# Altium PCB P1.1-worcv.PcbDoc (part 1 of 2) (continued)
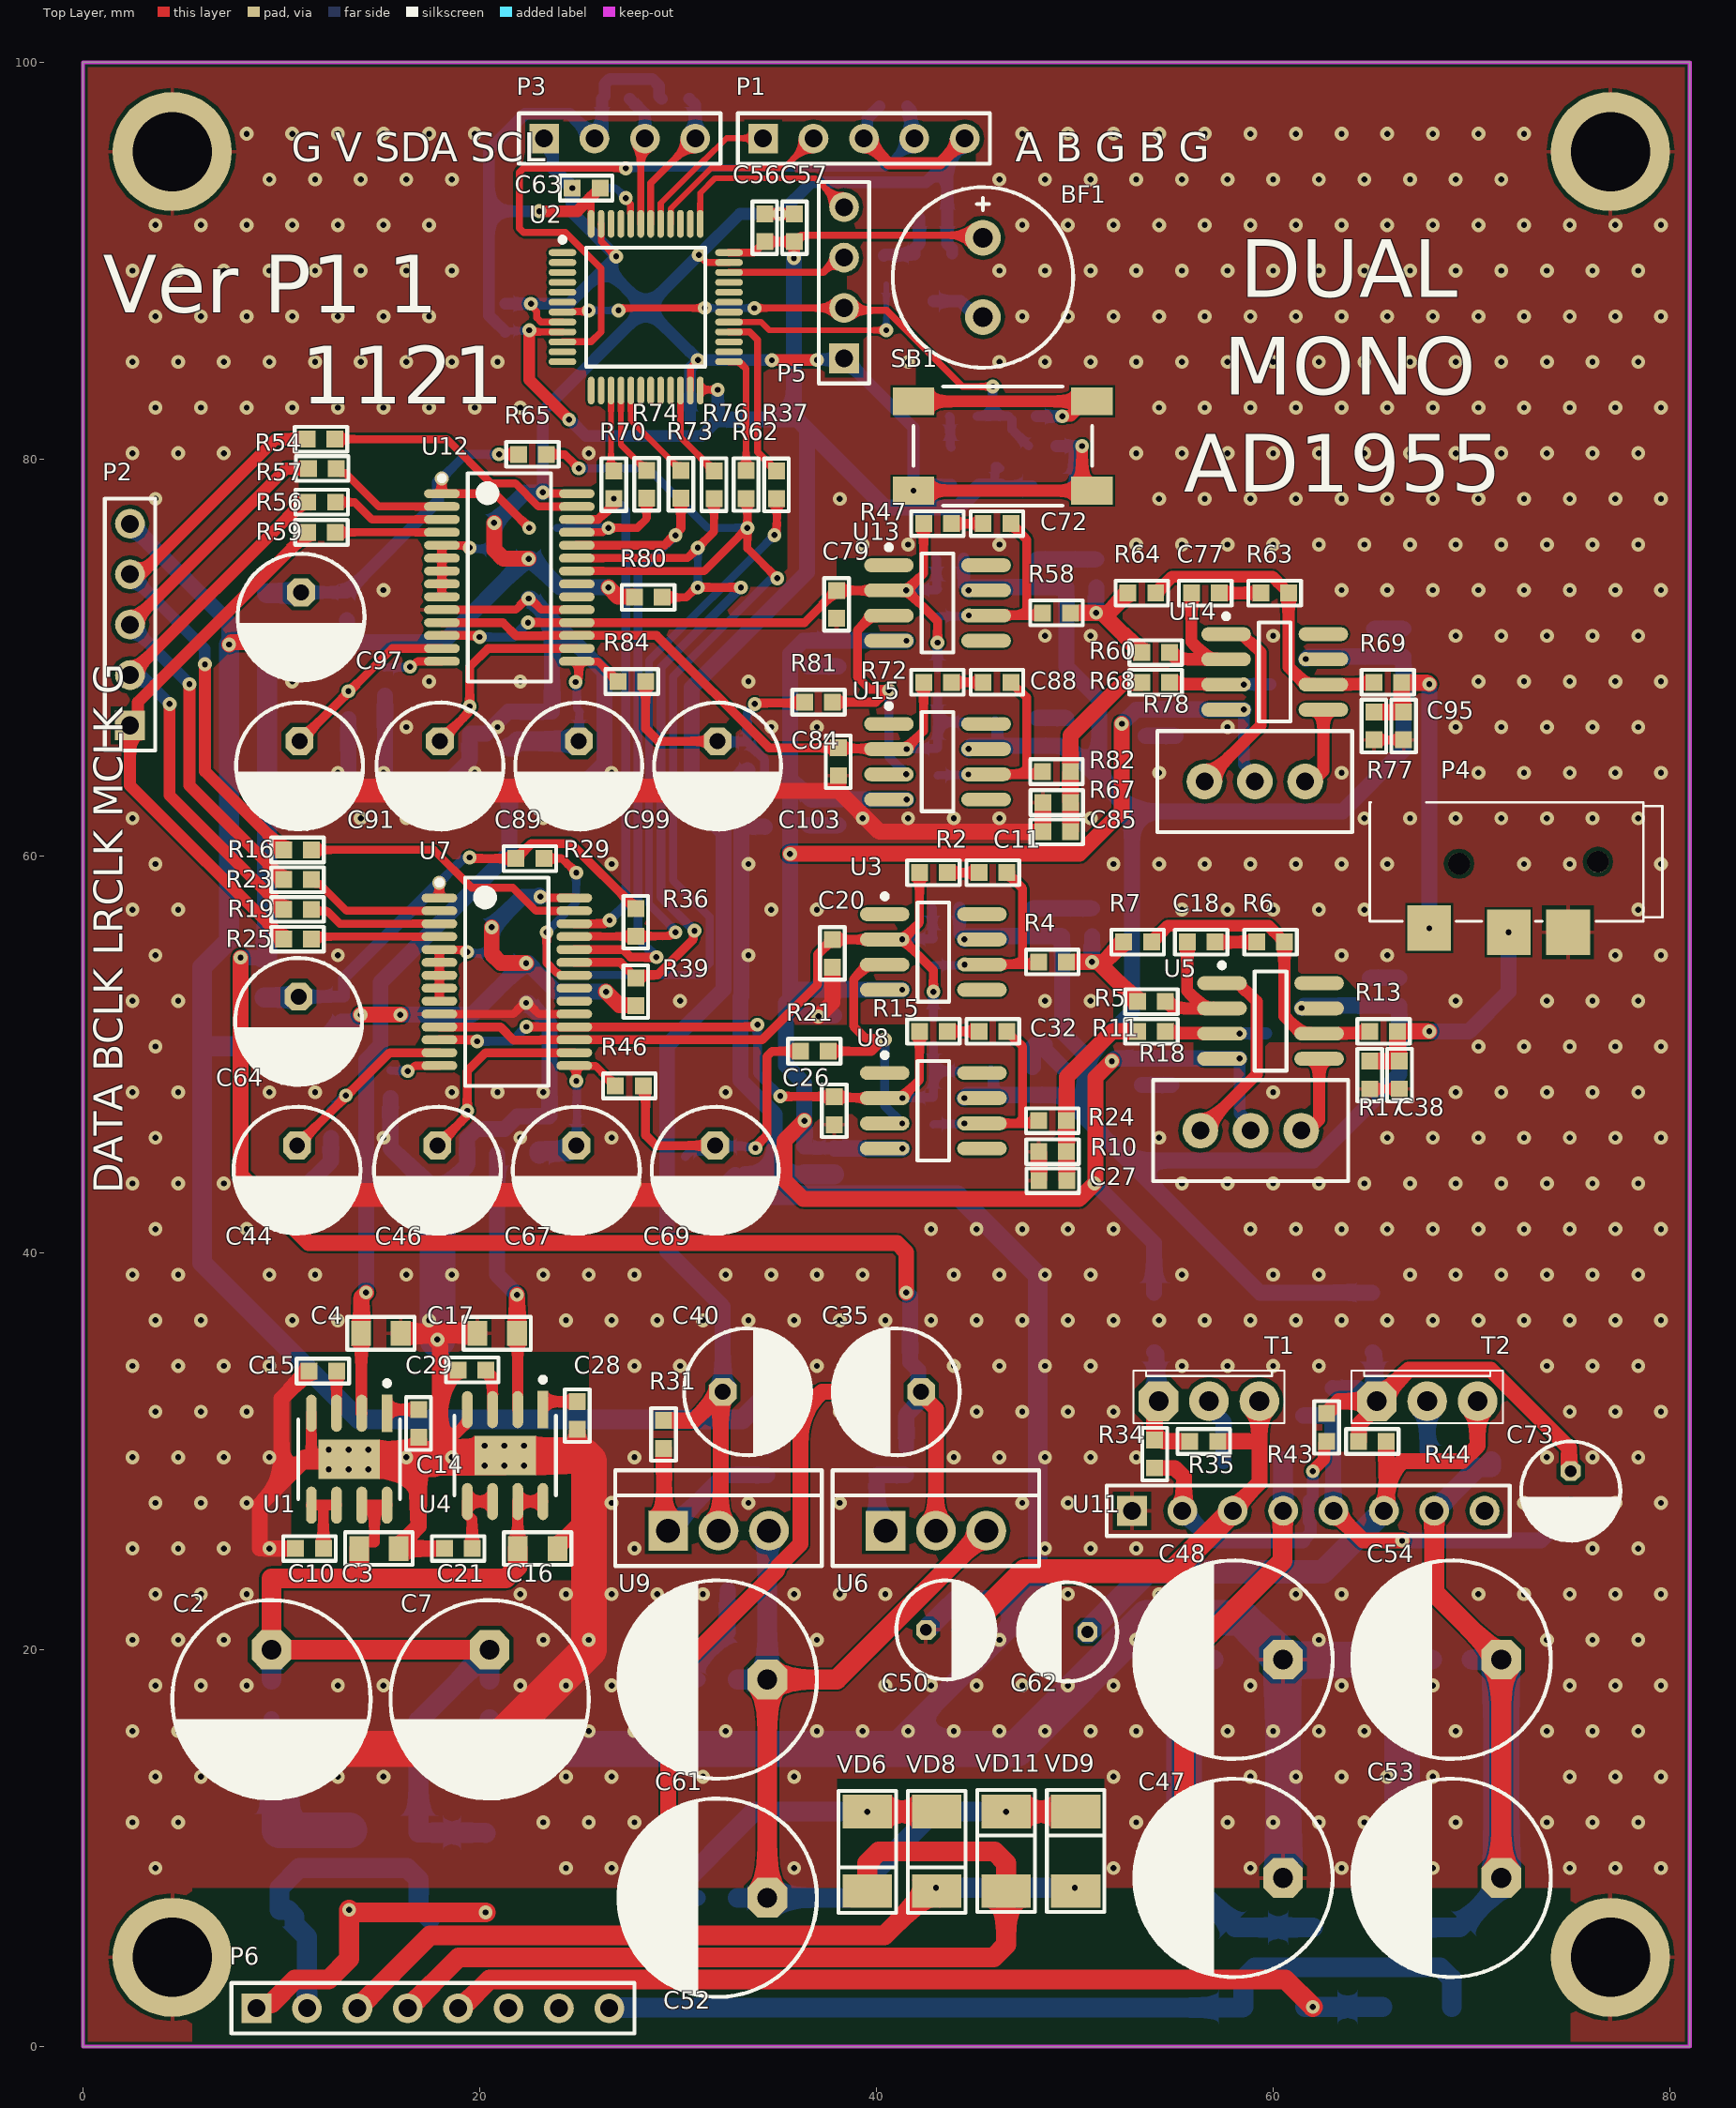
[diagram p0: Top Layer view]
## Footprints (in the part's own frame and the unit in brackets; to place one, negate y for a bottom-side part, rotate by r counter-clockwise, add the part's x,y. Pads: shape width x height; smd on the part's side, far side on the other; paste and mask are expansions set on the pad)
48-LQFP [mm] "QFP, 48-Leads, Body 7x7mm, Pitch 0.5mm, IPC Medium Density"
  oval 1.4x0.34 smd: 1(-4.2,2.75) 2(-4.2,2.25) 3(-4.2,1.75) 4(-4.2,1.25) 5(-4.2,0.75) 6(-4.2,0.25) 7(-4.2,-0.25) 8(-4.2,-0.75) 9(-4.2,-1.25) 10(-4.2,-1.75) 11(-4.2,-2.25) 12(-4.2,-2.75) 25(4.2,-2.75) 26(4.2,-2.25) 27(4.2,-1.75) 28(4.2,-1.25) 29(4.2,-0.75) 30(4.2,-0.25) 31(4.2,0.25) 32(4.2,0.75) 33(4.2,1.25) 34(4.2,1.75) 35(4.2,2.25) 36(4.2,2.75)
  oval 0.34x1.4 smd: 13(-2.75,-4.2) 14(-2.25,-4.2) 15(-1.75,-4.2) 16(-1.25,-4.2) 17(-0.75,-4.2) 18(-0.25,-4.2) 19(0.25,-4.2) 20(0.75,-4.2) 21(1.25,-4.2) 22(1.75,-4.2) 23(2.25,-4.2) 24(2.75,-4.2) 37(2.75,4.2) 38(2.25,4.2) 39(1.75,4.2) 40(1.25,4.2) 41(0.75,4.2) 42(0.25,4.2) 43(-0.25,4.2) 44(-0.75,4.2) 45(-1.25,4.2) 46(-1.75,4.2) 47(-2.25,4.2) 48(-2.75,4.2)
  round 0.5 on Mech1: ""(-4,4)
  silkscreen extent -4.32,-3 3,3.52, body extent -4.5,-4.5 4.5,4.5, height 1.6
ADI-R-8_M [mm] "SOIC, 8-Leads, Body 4.9x3.9mm, Pitch 1.27mm, IPC Low Density"
  oval 2.5x0.7 smd: 1(-2.45,1.905) 2(-2.45,0.635) 3(-2.45,-0.635) 4(-2.45,-1.905) 5(2.45,-1.905) 6(2.45,-0.635) 7(2.45,0.635) 8(2.45,1.905)
  silkscreen extent -2.57,-2.5 0.8,2.93, body extent -2,-2.5 2,2.5, height 1.75
ADI-RS-28_L [mm] "SOP, 28-Leads, Body 10.2x5.3mm, Pitch 0.65mm, IPC High Density"
  oval 1.8x0.45 smd: 1(-3.4,4.225) 2(-3.4,3.575) 3(-3.4,2.925) 4(-3.4,2.275) 5(-3.4,1.625) 6(-3.4,0.975) 7(-3.4,0.325) 8(-3.4,-0.325) 9(-3.4,-0.975) 10(-3.4,-1.625) 11(-3.4,-2.275) 12(-3.4,-2.925) 13(-3.4,-3.575) 14(-3.4,-4.225) 15(3.4,-4.225) 16(3.4,-3.575) 17(3.4,-2.925) 18(3.4,-2.275) 19(3.4,-1.625) 20(3.4,-0.975) 21(3.4,-0.325) 22(3.4,0.325) 23(3.4,0.975) 24(3.4,1.625) 25(3.4,2.275) 26(3.4,2.925) 27(3.4,3.575) 28(3.4,4.225)
  silkscreen extent -3.52,-5.25 2.1,5.25, body extent -2.8,-5.25 2.8,5.25, height 2
Analog_Devices_Inc_RD-8-2_0 [mm]
  rect 1.874x0.542 smd paste+0 mask+0: 1(-2.316,1.905)
  oval 1.874x0.542 smd paste+0 mask+0: 2(-2.316,0.635) 3(-2.316,-0.635) 4(-2.316,-1.905) 5(2.316,-1.905) 6(2.316,-0.635) 7(2.316,0.635) 8(2.316,1.905)
  rect 2x3.098 smd paste-1000 mask+0: 9(0,0)
  silkscreen extent -3.95,-2.56 2,2.56, body extent -3.35,-2.6 3.35,2.6, height 0.25
"BUT: 6x6 SMD" [mm] "Leaded Tactile Button 6x6"
  rect 2.1x1.4 smd: 1(-4.5,2.25) 1(4.5,2.25) 2(-4.5,-2.25) 2(4.5,-2.25)
  silkscreen extent -4.5,-3 4.5,3, body extent -4.5,-3 4.5,3, height 4.3
"BUZ: AT-0927-TT-6-R" [mm]
  round 1.8 hole 1: 1(2,0) 2(-2,0)
  silkscreen extent -4.55,-4.55 4.55,4.55, body extent -4.5,-4.5 4.5,4.5, height 4.52
"CAP: 0603" [mm]
  rect 0.85x0.85 smd: 1(-0.7,0) 2(0.7,0)
  silkscreen extent -1.33,-0.63 1.33,0.63, body extent -0.8,-0.4 0.8,0.4, height 0.3
"CAP: 0805" [mm]
  rect 1x1.25 smd: 1(-1,0) 2(1,0)
  silkscreen extent -1.7,-0.82 1.7,0.82, body extent -1,-0.62 1,0.63, height 0.78
"CAP: D5C2H11" [mm]
  oct 1x1 hole 0.6: 1(-1,0)
  round 1 hole 0.6: 2(1,0)
  silkscreen extent -2.5,-2.5 2.5,2.5, body extent -2.75,-2.75 2.75,2.75, height 13.5
"CAP: D6.3C2.5H11" [mm]
  oct 1.4x1.4 hole 0.8: 1(-1.25,0)
  round 1.4 hole 0.8: 2(1.25,0)
  silkscreen extent -3.2,-3.2 3.2,3.2, body extent -3.4,-3.4 3.4,3.4, height 12.5
"CAP: D10C5H20" [mm]
  oct 2x2 hole 1: 1(-2.5,0)
  round 2 hole 1: 2(2.5,0)
  silkscreen extent -5,-5 5,5, body extent -5.25,-5.25 5.25,5.25, height 22
CUI_SJ2-3573A2-SMT-TR [mm]
  rect 2.2x2.3 smd: 2(3.9,3.35) 3(-0.1,3.55) 4(-3.1,3.55)
  round 1.1 hole 1.1 unplated: ""(-4.6,0) ""(2.4,0.1)
  silkscreen extent -7.85,-3 6.9,3
"DIODE: SMA" [mm]
  rect 1.7x2.5 smd: 1(-2,0) 2(2,0)
  round 0.5 on Mech1: ""(2,0.9)
  silkscreen extent -3.05,-1.45 3.1,1.45, body extent -2.5,-1.35 2.5,1.35, height 2.28
HDR1X4 [mm] "Connector; Header; 4 Position"
  rect 1.5x1.5 hole 0.9: 1(0,0)
  round 1.5 hole 0.9: 2(2.54,0) 3(5.08,0) 4(7.62,0)
  silkscreen extent -1.27,-1.27 8.89,1.27
HDR1X5 [mm] "Connector; Header; 5 Position"
  rect 1.5x1.5 hole 0.9: 1(0,0)
  round 1.5 hole 0.9: 2(2.54,0) 3(5.08,0) 4(7.62,0) 5(10.16,0)
  silkscreen extent -1.27,-1.27 11.43,1.27
HDR1X8 [mm] "Connector; Header; 8 Position"
  rect 1.5x1.5 hole 0.9: 1(0,0)
  round 1.5 hole 0.9: 2(2.54,0) 3(5.08,0) 4(7.62,0) 5(10.16,0) 6(12.7,0) 7(15.24,0) 8(17.78,0)
  silkscreen extent -1.27,-1.27 19.05,1.27
"IND: 0805" [mm]
  rect 1x1.25 smd: 1(-1,0) 2(1,0)
  silkscreen extent -1.7,-0.82 1.7,0.82, body extent -1,-0.62 1,0.63, height 0.85
"RES: 0603" [mm]
  rect 0.85x0.85 smd: 1(-0.7,0) 2(0.7,0)
  silkscreen extent -1.33,-0.63 1.33,0.63, body extent -0.8,-0.4 0.8,0.4, height 0.44
"RES: 1206" [mm]
  rect 1x1.6 smd: 1(-1.5,0) 2(1.5,0)
  silkscreen extent -2.2,-1 2.2,1, body extent -1.65,-0.8 1.55,0.8, height 0.47
"RES: 3296W" [mm]
  round 1.8 hole 0.9: 1(0,0) 2(2.54,0) 3(5.08,0)
  round 0.5 on Top Overlay: ""(-2.85,2.325)
  silkscreen extent -2.37,-2.55 7.45,2.55, body extent -2.22,-2.4 7.31,2.4, height 11.55
SOT23 [mm]
  rect 1.1x0.6 smd: 1(-1.2,0.95) 2(-1.2,-0.95) 3(1.2,0)
  round 0.5 on Mech1: ""(-0.9,1.1)
  silkscreen extent -0.3,-1.5 0.7,1.5, body extent -1.32,-1.52 1.32,1.52, height 1.12
SOT95P230X112-3N [mm] "SOT23 3-Leads, Pitch 0.95mm - Body 1.3x2.86mm, IPC Medium Density"
  rect 0.95x0.65 smd: 1(-1.1,0.95) 2(-1.1,-0.95) 3(1.1,0)
  silkscreen extent -1.42,-1.45 0.3,1.92, body extent -1.25,-1.5 1.25,1.5, height 1.1
"TO126V A" [mm]
  oct 2x2 hole 1: 1(-2.54,0)
  round 2 hole 1: 2(0,0) 3(2.54,0)
  silkscreen extent -3.81,-1.1 3.81,1.55, body extent -3.81,-1.04 3.81,1.55, height 13.02
TO-220-V [mm] "TO-220 3-Terminal - Vertical Mount"
  rect 2x2 hole 1.2: 1(-2.54,0)
  round 2 hole 1.2: 2(0,0) 3(2.54,0)
  silkscreen extent -5.21,-1.78 5.21,3.05, body extent -5.27,-1.75 5.27,2.95, height 20.5

## Part data
BF1: library part Buzzer, CurrentMax=80mA, Frequency="2.73 kHz", Manufacturer="PUI Audio", PartNumber=AT-0927-TT-6-R, Temperature=-20...+70°C, VoltageMax=3VDC, HelpURL=https://www.digikey.com/products/en?keywords=AT-0927-TT-6-R, TypeBuzzer="DIP switch", ValueManufacturerPartNumber="DIP switch, 2.73 kHz, 3VDC, 80mA, -20...+70°C"
C1 C3 C4 C5 C6 C8 C9 C10 C11 C12 C13 C14 C15 C16 C17 C18 C19 C20 C21 C22 C23 C24 C25 C26 C27 C28 C29 C30 C31 C32 C33 C34 C36 C37 C38 C39 C41 C42 C43 C45 C49 C51 C55 C56 C57 C58 C59 C60 C63 C65 C66 C68 C70 C71 C72 C74 C75 C76 C77 C78 C79 C80 C81 C82 C83 C84 C85 C86 C87 C88 C90 C92 C93 C94 C95 C96 C98 C100 C101 C102: library part Ceramic, Manufacturer=Yageo, Package=0201, PartNumber=CC0201KRX7R7BB103, Temperature=-55...+125°C, Tolerance=±10%, TypeCapacitor="Ceramic capacitor", TypeDielectric=X7R, Voltage=16V, HelpURL=https://www.digikey.com/product-detail/en/yageo/CC0201KRX7R7BB103/311-1404-1-ND/2833710
  C1 C5 C6 C9 C13 C22 C31 C34 C36 C39 C41 C43 C45 C49 C51 C55 C57 C58 C59 C60 C63 C65 C66 C68 C71 C75 C76 C80 C87 C90 C92 C93 C96 C98 C100 C102: ValueManufacturerPartNumber="Ceramic capacitor, 0.1u, X7R, ±10%, 16V, 0201, -55...+125°C"
  C3 C4 C16 C17: ValueManufacturerPartNumber="Ceramic capacitor, 10μF, X7R, ±10%, 16V, 0201, -55...+125°C"
  C8 C12 C23 C30 C37 C42 C70 C74 C81 C86 C94 C101: ValueManufacturerPartNumber="Ceramic capacitor, 4.7u, X7R, ±10%, 16V, 0201, -55...+125°C"
  C10 C15 C21 C29: ValueManufacturerPartNumber="Ceramic capacitor, 1u, X7R, ±10%, 16V, 0201, -55...+125°C"
  C11 C24 C32 C72 C82 C88: ValueManufacturerPartNumber="Ceramic capacitor, 100p, X7R, ±10%, 16V, 0201, -55...+125°C"
  C14 C28 C33 C56: ValueManufacturerPartNumber="Ceramic capacitor, 10u, X7R, ±10%, 16V, 0201, -55...+125°C"
  C18 C25 C77 C83: ValueManufacturerPartNumber="Ceramic capacitor, 2.7n, X7R, ±10%, 16V, 0201, -55...+125°C"
  C19 C27 C78 C85: ValueManufacturerPartNumber="Ceramic capacitor, 5.6n, X7R, ±10%, 16V, 0201, -55...+125°C"
  C20 C26 C79 C84: ValueManufacturerPartNumber="Ceramic capacitor, open, X7R, ±10%, 16V, 0201, -55...+125°C"
  C38 C95: ValueManufacturerPartNumber="Ceramic capacitor, 3.9n, X7R, ±10%, 16V, 0201, -55...+125°C"
C2 C7 C47 C48 C52 C53 C54 C61: library part Aluminium, Manufacturer=Wurth, Package="14x10x5 mm", PartNumber=860080475013, Temperature=-55...+105°C, Tolerance=±20%, TypeCapacitor="Aluminium capacitor", Voltage=35V, HelpURL=https://www.digikey.com/product-detail/en/wurth-electronics-inc/860080475013/732-9029-1-ND/5728972, Impedance=54mOhm, ValueManufacturerPartNumber="Aluminium capacitor, 1000μF, 35V, ±20%, 54mOhm, 14x10x5 mm, -55...+105°C"
C35 C40 C44 C46 C64 C67 C69 C89 C91 C97 C99 C103: library part Aluminium, Manufacturer=Wurth, Package="14x10x5 mm", PartNumber=860080475013, Temperature=-55...+105°C, Tolerance=±20%, TypeCapacitor="Aluminium capacitor", Voltage=25V, HelpURL=https://www.digikey.com/product-detail/en/wurth-electronics-inc/860080475013/732-9029-1-ND/5728972, Impedance=54mOhm, ValueManufacturerPartNumber="Aluminium capacitor, 100μF, 25V, ±20%, 54mOhm, 14x10x5 mm, -55...+105°C"
C50 C62 C73: library part Aluminium, Manufacturer=Wurth, Package="14x10x5 mm", PartNumber=860080475013, Temperature=-55...+105°C, Tolerance=±20%, TypeCapacitor="Aluminium capacitor", Voltage=50V, HelpURL=https://www.digikey.com/product-detail/en/wurth-electronics-inc/860080475013/732-9029-1-ND/5728972, Impedance=54mOhm, ValueManufacturerPartNumber="Aluminium capacitor, 10μF, 50V, ±20%, 54mOhm, 14x10x5 mm, -55...+105°C"
IC1: library part MAX809MEUR, "3-Pin Microprocessor Reset Circuit", Case=SOT23, Manufacturer=MAXIM, Author="CERN DEM JLC", Bonding=No, Component Type=Standard, ComponentHeight=1.12mm, CreateDate=23.08.2012, Device=MAX809SEUR, HelpURL=\\cern.ch\dfs\Applications\Altium\Datasheets\MAX809MEUR.pdf, LatestRevisionDate=23.08.2012, Manufacturer Part Number=MAX809SEUR, Mounted=Yes, PackageDescription="SOT23 3-Leads, Pitch 0.95mm - Body 1.3x2.86mm, IPC Medium Density", Part Description="3-Pin Microprocessor Reset Circuit (Reset Threshold 4.38V)", Part Number=MAX809SEUR, Pin Count=3, PressFit=No, Sense=No, SMD=Yes, Socket=No
L1 L2 L3 L4 L5 L6: library part Inductor_SMD, Manufacturer="Murata Electronics", MaxCurrent=80mA, Package=0201, PartNumber=LQP03TNR10J02D, Temperature=-55...+125°C, Tolerance=±5%, TypeInductor="Fixed inductor", HelpURL=https://www.digikey.com/product-detail/en/murata-electronics-north-america/LQP03TNR10J02D/490-6742-1-ND/3845939, ValueManufacturerPartNumber="Fixed inductor, 100nH, ±5%, 0201, 80mA, -55...+125°C"
P1 P2: library part "Header 5", "Header, 5-Pin", LatestRevisionDate=17-Jul-2002, LatestRevisionNote="Re-released for DXP Platform.", Publisher="Altium Limited"
P3 P5: library part "Header 4", "Header, 4-Pin", LatestRevisionDate=17-Jul-2002, LatestRevisionNote="Re-released for DXP Platform.", Publisher="Altium Limited"
P4: "3.5 mm, Stereo, Right Angle, Surface Mount _SMT_, Audio Jack Connector", Package=None, CUI_purchase_URL=https://www.cuidevices.com/product/interconnect/connectors/audio-connectors/jacks/sj2-357x-smt-series?utm_source=snapeda.com&utm_medium=referral&utm_campaign=snapedaBOM, Digi-Key_Part_Number=CP-SJ2-3573A2-SMT-CT-ND, Digi-Key_Purchase_URL=https://www.digikey.com.tr/product-detail/en/cui-devices/SJ2-3573A2-SMT-TR/CP-SJ2-3573A2-SMT-CT-ND/6619610?utm_source=snapeda&utm_medium=aggregator&utm_campaign=symbol, MF="CUI Devices", MP=SJ2-3573A2-SMT-TR, SnapEDA_Link=https://www.snapeda.com/parts/SJ2-3573A2-SMT-TR/CUI%20Devices/view-part/701785/?ref=snap
P6: "Header, 8-Pin", LatestRevisionDate=17-Jul-2002, LatestRevisionNote="Re-released for DXP Platform.", Publisher="Altium Limited"
R1 R2 R3 R4 R5 R6 R7 R8 R9 R10 R11 R12 R13 R14 R15 R16 R17 R19 R20 R21 R22 R23 R24 R25 R26 R27 R28 R29 R30 R31 R32 R33 R34 R35 R36 R37 R38 R39 R40 R41 R42 R43 R44 R45 R46 R47 R48 R49 R50 R51 R52 R53 R54 R55 R56 R57 R58 R59 R60 R61 R62 R63 R64 R65 R66 R67 R68 R69 R70 R71 R72 R73 R74 R75 R76 R77 R79 R80 R81 R82 R83 R84: library part Resistor, Manufacturer=Yageo, Package=0201, PartNumber=RC0201JR-07100RL, Power=0.05W, Temperature=-55...+125°C, Tolerance=±5%, TypeResistor="Resistor film", HelpURL=https://www.digikey.com/product-detail/en/yageo/RC0201JR-07100RL/311-100NCT-ND/1949006
  R1 R3 R9 R14 R35 R41 R44 R48 R52 R62 R66 R71 R76: ValueManufacturerPartNumber="Resistor film, 1k, ±5%, 0201, 0.05W, -55...+125°C"
  R2 R6 R15 R16 R19 R23 R25 R37 R47 R54 R56 R57 R59 R63 R70 R72 R73 R74: ValueManufacturerPartNumber="Resistor film, 100r, ±5%, 0201, 0.05W, -55...+125°C"
  R4 R24 R58 R82: ValueManufacturerPartNumber="Resistor film, 680r, ±5%, 0201, 0.05W, -55...+125°C"
  R5 R11 R60 R68: ValueManufacturerPartNumber="Resistor film, 324r, ±5%, 0201, 0.05W, -55...+125°C"
  R7 R10 R64 R67: ValueManufacturerPartNumber="Resistor film, 226r, ±5%, 0201, 0.05W, -55...+125°C"
  R8 R12 R53: ValueManufacturerPartNumber="Resistor film, 4k7, ±5%, 0201, 0.05W, -55...+125°C"
  R13 R69: ValueManufacturerPartNumber="Resistor film, 330r, ±5%, 0201, 0.05W, -55...+125°C"
  R17 R77: ValueManufacturerPartNumber="Resistor film, open, ±5%, 0201, 0.05W, -55...+125°C"
  R20 R31: ValueManufacturerPartNumber="Resistor film, 240r, ±5%, 0201, 0.05W, -55...+125°C"
  R21 R32 R81: ValueManufacturerPartNumber="Resistor film, 400r, ±5%, 0201, 0.05W, -55...+125°C"
  R22: ValueManufacturerPartNumber="Resistor film, 720r, ±5%, 0201, 0.05W, -55...+125°C"
  R26: ValueManufacturerPartNumber="Resistor film, 1K, ±5%, 0201, 0.05W, -55...+125°C"
  R27 R29 R36 R39 R51 R61 R65 R75 R80: ValueManufacturerPartNumber="Resistor film, 20k, ±5%, 0201, 0.05W, -55...+125°C"
  R28: ValueManufacturerPartNumber="Resistor film, 10K, ±5%, 0201, 0.05W, -55...+125°C"
  R30 R49: ValueManufacturerPartNumber="Resistor film, 2.2R, ±5%, 0201, 0.05W, -55...+125°C"
  R33 R50: ValueManufacturerPartNumber="Resistor film, 4.7R, ±5%, 0201, 0.05W, -55...+125°C"
  R34 R43 R45: ValueManufacturerPartNumber="Resistor film, 10k, ±5%, 0201, 0.05W, -55...+125°C"
  R38 R79: ValueManufacturerPartNumber="Resistor film, 2k5, ±5%, 0201, 0.05W, -55...+125°C"
  R40: ValueManufacturerPartNumber="Resistor film, 1k8, ±5%, 0201, 0.05W, -55...+125°C"
  R42 R83: ValueManufacturerPartNumber="Resistor film, 2k8, ±5%, 0201, 0.05W, -55...+125°C"
  R46 R84: ValueManufacturerPartNumber="Resistor film, 2k2, ±5%, 0201, 0.05W, -55...+125°C"
  R55: ValueManufacturerPartNumber="Resistor film, 100k, ±5%, 0201, 0.05W, -55...+125°C"
R18 R78: library part Trimmer, Manufacturer=Bourns, Package=3296W, PartNumber=3296W-1-103LF, Power=0.5W, Temperature=-55...+125°C, Tolerance=±10%, TypeResistor="Resistor film", HelpURL=https://www.digikey.com/product-detail/en/bourns-inc/3296W-1-103LF/3296W-103LF-ND/1088045, ValueManufacturerPartNumber="Resistor film, 20k, ±10%, 3296W, 0.5W, -55...+125°C"
SB1: library part Button_tactile, Manufacturer="TE Connectivity", Package=6x6mm, PartNumber=FSM2JSMAATR, CommentText="\"Кнопка\"", HelpURL=https://www.digikey.com/product-detail/en/te-connectivity-alcoswitch-switches/FSM2JSMAATR/450-1792-1-ND/3503931, TypeButton="Tactile button", ValueManufacturerPartNumber="Tactile button, 6x6mm"
T1: "80V 1.5A     50MHz (BD139)", Manufacturer=STMicroelectronics, Package=TO126, Power=12.5W, Complementary=BD139C, ComponentLink1Description="Datasheet Link", ComponentLink1URL=https://www.onsemi.com/pub/Collateral/BD136-D.PDF, Ft=60MHz, h21e=63-250, Ic=1.5A, Mount Type=TH, Published=28.09.2019, Publisher=Hefest, RoHS=Y, Supplier 1=Mouser, Technology=pnp, TYPE=Transistors, Vce=45V
T2: "80V 1.5A     50MHz (BD140)", Manufacturer=STMicroelectronics, Package=TO126, Power=12.5W, Complementary=BD140C, ComponentLink1Description="Datasheet Link", ComponentLink1URL=https://www.onsemi.com/pub/Collateral/BD135-D.PDF, Ft=150MHz, h21e=40-250, Ic=1.5A, Mount Type=TH, Published=28.09.2019, Publisher=Hefest, RoHS=Y, Supplier 1=Mouser, Technology=npn, TYPE=Transistors, Vce=80V
U1 U4: "IC REG LINEAR 3.3V 800MA 8SOIC", Ambient Temperature Range High=+125°C, Ambient Temperature Range Low=-40°C, Capacitance=SKIP, Digikey Part Number=ADM7150ARDZ-3.3-ND, Dropout Voltage=0.6V, Manufacturer="Analog Devices Inc", Max Junction Temp=+150°C, Max Supply Voltage=16V, Min Supply Voltage=4.5V, Mouser Part Number=584-ADM7150ARDZ-3.3, Nominal Supply Current=8.6mA, Output Current=800mA, Output Voltage=3.3V, Package=RD-8-2, Temperature="-40°C to +125°C", Accuracy Percentage=1%, ComponentLink1Description=Upverter, ComponentLink1URL=https://upverter.com/upn/revision/462e4a23285522a3/, ComponentLink2Description=Datasheet, ComponentLink2URL=http://www.analog.com/media/en/technical-documentation/data-sheets/ADM7150.pdf, Datasheet Path=datasheets/IC_Analog_Devices_Inc_ADM7150ARDZ-3.3_eec.pdf, Datasheet Path1=datasheets/IC_Analog_Devices_Inc_ADM7150ARDZ-3.3_eec.pdf, Digikey Description="IC REG LINEAR 3.3V 800MA 8SOIC", Height=1.75mm, HelpURL=https://upverter.com/upn/revision/462e4a23285522a3/, Inductance=SKIP, Ipc Land Pattern Name=SOIC127P600X155-8, Lead Free=yes, Library Path1=parts/IC_Analog_Devices_Inc_ADM7150ARDZ-3.3_eec.SchLib, Library Ref1=ADM7150ARDZ-3.3, Mouser Description="LDO Voltage Regulators 800mA ULN LDO 3.3Vo", Number Of Outputs=1, Part Number=ADM7150ARDZ-3.3, Price=6.70290578782, Resistance=SKIP, RoHS=TRUE, Standoff Height=0.05mm, Supplier 1=Digi-Key, Supplier 2=Mouser, Supplier Part Number 1=ADM7150ARDZ-3.3-ND, Supplier Part Number 2=584-ADM7150ARDZ-3.3, Temperature Range High=+125°C, Temperature Range Low=-40°C, Verification Version=0.0.0.1, Voltage=SKIP
U2: library part STM32F103CBT6TR, "ARM Cortex-M3 32-bit MCU, 128 KB Flash, 20 KB Internal RAM, 37 I/Os, 48-pin LQFP, -40 to 85 degC, Tape and Reel", I/Os (High Current)=37, Operating Frequency(F) (Processor speed) (MHz)=72, Supply Voltage(Vcc) min (V)=2, A/D Converter="2x12-bit (10 Channel)", ComponentLink1Description="Manufacturer URL", ComponentLink1URL=http://www.st.com/web/en/home.html, ComponentLink2Description=Datasheet, ComponentLink2URL=http://www.st.com/st-web-ui/static/active/en/resource/technical/document/datasheet/CD00161566.pdf, ComponentLink3Description="Package Specification", ComponentLink3URL=http://www.st.com/st-web-ui/static/active/en/resource/technical/document/datasheet/DM00058181.pdf, Core="ARM Cortex-M3", DatasheetVersion="Rev. 16", FLASH Size (Prog) (kB)=128, Internal RAM Size (kB)=20, Mounting Technology="Surface Mount", PackageDescription="48-Pin Low Profile Quad Flat Package, 7 x 7 mm Body, 0.5 mm Pitch", PackageReference=LQFP48, PackageVersion="Rev. 6, 06/2013", Packing="Tape and Reel", PartNumber=STM32F103CBT6TR
U3 U5 U8 U13 U14 U15: library part AD797BRZ, "Single Channel Low Noise Operational Amplifier, 8 MHz BW, 20 V/us SR, Industrial, 8-pin SOIC (R-8), Tube", Amplifiers Per Package=1, Input Bias Current=250nA, Input Offset Voltage=25uV, Manufacturer="Analog Devices", Code_JEDEC=MS-012-AA, ComponentLink1Description="Manufacturer URL", ComponentLink1URL=http://www.analog.com/en/index.html, ComponentLink2Description=Datasheet, ComponentLink2URL=http://www.analog.com/static/imported-files/data_sheets/AD797.pdf, ComponentLink3Description="Package Specification", ComponentLink3URL=http://www.analog.com/static/imported-files/packages/PKG_PDF/SOIC_Narrow%20(R)/R_8.pdf, DatasheetVersion="Rev. H", Generic Part Number=AD797, Iq/Amp=10.5mA, Mounting Technology="Surface Mount", PackageDescription="8-Pin Standard Small Outline Package, Body 3.9 x 4.9 mm, Pitch 1.27 mm", PackageReference=R-8, PackageVersion=060506-A, PartNumber=AD797BRZ, Slew Rate=20V/us, Small Signal Bandwidth=8MHz, V Span Max=36V, V Span Min=10V
U6 U9: library part LM317AT/NOPB_v, "3-Terminal Regulator 1=Adj 2=OUT 3=IN", Case=TO-220, Manufacturer="TEXAS INSTRUMENTS", Manufacturer Part Number=LM317AT/NOPB, Author="CERN DEM JLC", Bonding=No, Component Type=Standard, ComponentHeight=19.55mm, CreateDate=07.12.2010, Device=LM317, HelpURL=\\cern.ch\dfs\Applications\Altium\Datasheets\LM317AT-NOPB.pdf, LatestRevisionDate=18.09.2014, Mounted=Yes, PackageDescription="TO-220 3-Terminal - Vertical Mount", Part Description="3-Terminal High-Voltage 1.2V To 37V 1.5A Positive Adjustable Regulator", Part Number=LM317AT/NOPB_v, Pin Count=3, PressFit=No, Sense=No, SMD=No, Socket=No
U7 U12: "High Performance Multibit Sigma-Delta DAC with SACD Playback, 5 V Power Supply, -40 to 85 degC, 28-Pin SSOP (RS-28), RoHS, Tube", Manufacturer="Analog Devices", Temperature Range (degC)="-40 to 85", Voltage Supply (V)=5, # DAC=2, ComponentLink1Description="Manufacturer URL", ComponentLink1URL=http://www.analog.com/, ComponentLink2Description=Datasheet, ComponentLink2URL=http://www.analog.com/static/imported-files/data_sheets/AD1955.pdf, ComponentLink3Description="Package Specification", ComponentLink3URL=http://www.analog.com/static/imported-files/packages/32122249223724RS_28.pdf, DAC Architecture="Sigma Delta", DAC DNR (dB)=123, DAC THD+N @ 1 kHz (-3dB)=110, DatasheetVersion="Rev. 0", Max Sampling Rate (KHz)=192, Mounting Technology="Surface Mount", PackageDescription="28-Pin Shrink Small Outline Package, Body 10.2 x 5.3 mm, Pitch 0.65 mm", PackageReference=RS-28, PackageVersion=060106-A, Packing=Tube, PartNumber=AD1955ARSZ, Resolution (Bits)=24, RoHS=TRUE
U11: library part "Header 8", "Header, 8-Pin", LatestRevisionDate=17-Jul-2002, LatestRevisionNote="Re-released for DXP Platform.", Publisher="Altium Limited"
VD1 VD2 VD3 VD4 VD5 VD6 VD7 VD8 VD9 VD10 VD11 VD12: library part Schottky_single, Current=500mA, Manufacturer="Diodes Incorporated", Package=SOD-123, PartNumber=SS34, Temperature=-55...+150°C, Voltage=80V, VoltageDrop=1V, HelpURL=https://www.digikey.com/product-detail/en/diodes-incorporated/MBR0580S1-7/MBR0580S1-7DICT-ND/5080371, RecoveryTime=15pF, TypeDiode="Schottky diode", ValueManufacturerPartNumber="Schottky diode, 80V, 500mA, 1V, 15pF, SOD-123, -55...+150°C"
VT1: library part BJT_NPN_132, CurrentCE=100mA, CurrentGain=420, Frequency=100MHz, Manufacturer="ON Semiconductor", MaxPower=300mW, Package=SOT-23, PartNumber=BC847CLT1G, Temperature=-55...+125°C, VoltageCE=45V, VoltageSaturation=0.6V, HelpURL=https://www.digikey.com/product-detail/en/on-semiconductor/BC847CLT1G/BC847CLT1GOSCT-ND/917836, TypeTransistor="NPN transistor", ValueManufacturerPartNumber="NPN transistor, 45V, 100mA, 100MHz, 300mW, 0.6V, 420, SOT-23, -55...+125°C"

## Free pads (board coordinates)
  round 6 hole 4: 2(77,95.5) 3(4.5,4.5) 3(77,4.5) 4(4.5,95.5)

## Via types
v1: diameter 0.7, hole 0.3, Top Layer to Bottom Layer, tented both sides, 749 vias
v2: diameter 0.7, hole 0.3, Top Layer to Bottom Layer, 13 vias

## Nets (pads, with @x,y where several pads share a name; then routed paths per layer and width w, separated by ;. In a path a pad name is that pad's centre, name@x,y a point inside that pad or via, vN(x,y) a via of type N, cw(c..) or ccw(c..) an arc to the next point about the centre after c; other vN are vias at no path point)
+12V: C8.1 C9.1 C12.2 C13.2 C30.1 C31.1 C70.1 C71.1 C74.2 C75.2 C86.1 C87.1 R3.1 R14.1 R48.1 R49.1 R71.1 U3.7 U5.7 U8.7 U13.7 U14.7 U15.7 | length 131.9
  Bottom Layer w0.6: R3.1@44.182,57.398 44.186,57.394 44.186,56.073 ; R48.1@44.391,74.989 44.396,74.985 44.396,73.664 ; R14.1@45.769,49.163 45.894,49.038 45.894,48.312 46.243,47.963 ; R71.1@45.978,66.754 46.103,66.629 46.103,65.903 46.452,65.554
  Bottom Layer w0.8: v1(44.43,47.803) 44.59,47.963 46.243,47.963 C30.1@47.869,47.963 C31.1@49.369,47.963 50.5,46.832 ; v1(44.432,55.801) 44.594,55.963 C8.1@47.869,55.963 C9.1@49.369,55.963 49.369,51.131 50.5,50 50.5,49.782 ; v1(44.64,65.394) 44.799,65.554 46.452,65.554 C86.1@48.078,65.554 C87.1@49.578,65.554 51.228,63.904 ; v1(44.641,73.392) 44.803,73.554 C70.1@48.078,73.554 C71.1@49.578,73.554 49.578,69.541 51.228,67.891 51.228,63.904 ; v1(61.438,52.34) 61.56,52.463 C12.2@64.869,52.463 C13.2@66.369,52.463 66.369,49.001 62.03,44.663 52.669,44.663 ; v1(61.647,69.931) 61.77,70.054 C74.2@65.078,70.054 C75.2@66.578,70.054 66.578,65.341 63.491,62.254 52.878,62.254 ; R49.1@65,38 59.332,38 52.669,44.663 ; 50.5,46.832 50.5,49.782 ; 50.5,46.832 52.669,44.663 ; 50.5,49.782 52.878,52.159 52.878,62.254 ; 51.228,63.904 52.878,62.254
+DCOP: C53.1 C54.1 C58.1 R50.2 U11.7 VD10.2 VD12.2 | length 44.2
  Top Layer w1: U11.7@68.12,27 68.12,22.88 71.5,19.5 C53.1@71.5,8.5 C53.1@71.793,8.793
  Bottom Layer w1: VD10.2@65.5,6 VD12.2@69,6 69.4,6 71.207,7.807 71.207,8.207 C53.1@71.5,8.5 ; U11.7@68.12,27 70.32,29.2 71,29.2 R50.2@71,29.5 ; C58.1@70,19.5 C54.1@71.5,19.5
  Bottom Layer w1.8: C53.1@71.5,8.5 C54.1@71.5,19.5
-12V: C22.1 C23.1 C36.1 C37.1 C41.1 C42.1 C80.1 C81.1 C93.1 C94.1 C100.1 C101.1 R18.2 R30.1 R78.2 U3.4 U5.4 U8.4 U13.4 U14.4 U15.4 | length 124.4
  Top Layer w0.8: v1(35.644,60.109) 50.238,60.109 52.369,62.24 v1(52.369,66.663) ; v1(36.369,46.663) 35.369,45.663 35.369,43.663 36.32,42.712 50.223,42.712 51.046,43.535 51.046,48.84 v1(51.869,49.663)
  Bottom Layer w0.6: C41.1@36.369,45.363 36.456,45.275 C42.1@37.869,45.275 ; v1(58.31,49.792) 58.31,47.046 58.869,46.487 R18.2@58.869,46.163 ; v1(58.519,67.382) 58.519,64.637 59.078,64.078 R78.2@59.078,63.754
  Bottom Layer w0.8: 35.737,52.888 35.444,52.595 35.444,49.454 36.369,48.529 v1(36.369,46.663) C41.1@36.369,45.363 ; C42.1@37.869,45.275 37.888,45.256 v1(41.311,45.256) ; v1(41.302,53.261) 36.092,53.261 35.644,52.813 v1(35.644,60.109) 35.644,63.87 35.653,63.879 ; v1(41.511,70.852) 36.319,70.852 35.653,70.186 35.653,63.879 ; v1(41.52,62.847) 36.684,62.847 35.653,63.879 ; v1(51,43.5) 54,40.5 R30.1@54,38 ; v1(51.869,49.663) 51.998,49.792 v1(58.31,49.792) ; v1(52.369,66.663) 53.088,67.382 v1(58.519,67.382)
-DCOP: C47.2 C48.2 C49.2 R33.2 U11.4 VD5.1 VD7.1 | length 43.2
  Top Layer w1: C47.2@55.636,8.5 C47.2@55.5,8.5 C48.2@55.5,19.5 60.479,24.479 60.479,26.979 U11.4@60.5,27
  Bottom Layer w1: C47.2@55.5,8.5 55.6,8.5 58.1,6 VD5.1@58.5,6 VD7.1@62,6 ; C48.2@55.5,19.5 C49.2@57,19.5 ; U11.4@60.5,27 R33.2@60.5,29.5
  Bottom Layer w1.8: C47.2@55.5,8.5 C48.2@55.5,19.5
AC9L1: P6.1 VD2.2 VD3.1 | length 15.1
  Top Layer w1: P6.1@8.752,1.929 9.002,2.179 9.492,2.179 10.692,3.379 12.379,3.379 13.418,4.418 v1(13.418,6.895) 13.55,6.763 v1(20.297,6.763)
AC9L2: P6.4 VD6.2 VD11.1 | length 45.1
  Top Layer w1: P6.4@16.372,1.929 18.943,4.5 45.914,4.5 46.538,5.124 46.538,7.488 VD11.1@46.188,7.838 ; VD6.2@39.538,7.838 39.538,9.252 40.124,9.838 45.953,9.838 46.538,9.252 VD11.1@46.538,7.838 VD11.1@46.188,7.838 ; VD11.1@46.138,7.838 VD11.1@46.188,7.838
AC9L11: P6.2 VD1.2 VD4.1 | length 16.9
  Bottom Layer w1: P6.2@11.292,1.929 11.292,5.521 10.668,6.145 10.668,6.545 10.318,6.895 VD1.2@9.918,6.895 9.901,6.913 9.901,7.997 10.901,8.997 16.333,8.997 16.918,8.411 VD4.1@16.918,6.795 17.154,6.795 VD4.1@17.504,6.445
AC9L22: P6.3 VD8.2 VD9.1 | length 39.1
  Top Layer w1: P6.3@13.832,1.929 17.503,5.6 40.401,5.6 42.801,8 v1(43,8) ; VD9.1@49.774,7.573 VD9.1@50.038,7.838
  Bottom Layer w1: v1(43,8) v1(50,8)
AC18L1: P6.5 VD7.2 VD10.1 | length 48.2
  Top Layer w1: P6.5@18.912,1.929 19.048,1.929 20.498,3.379 60.621,3.379 v1(62,2)
  Bottom Layer w1: VD7.2@61.6,2 v1(62,2) VD10.1@65.5,2
AC18L2: P6.8 VD5.2 VD12.1 | length 45.8
  Bottom Layer w1: P6.8@26.532,1.929 26.568,1.965 58.465,1.965 VD5.2@58.5,2 58.5,3.414 59.086,4 68.414,4 69,3.414 VD12.1@69,2